# Altium PCB BSU.PcbDoc (part 2 of 3)
Units mm, origin at the board's own origin, x right, y up, seen from the top; angles counter-clockwise.
Board outline 255 x 100 mm, 4 copper layers (Top Cu, PWR, GND, Bottom Cu), stack 1.586 mm thick; 353 components, 279 nets, 1164 pads, 377 vias.
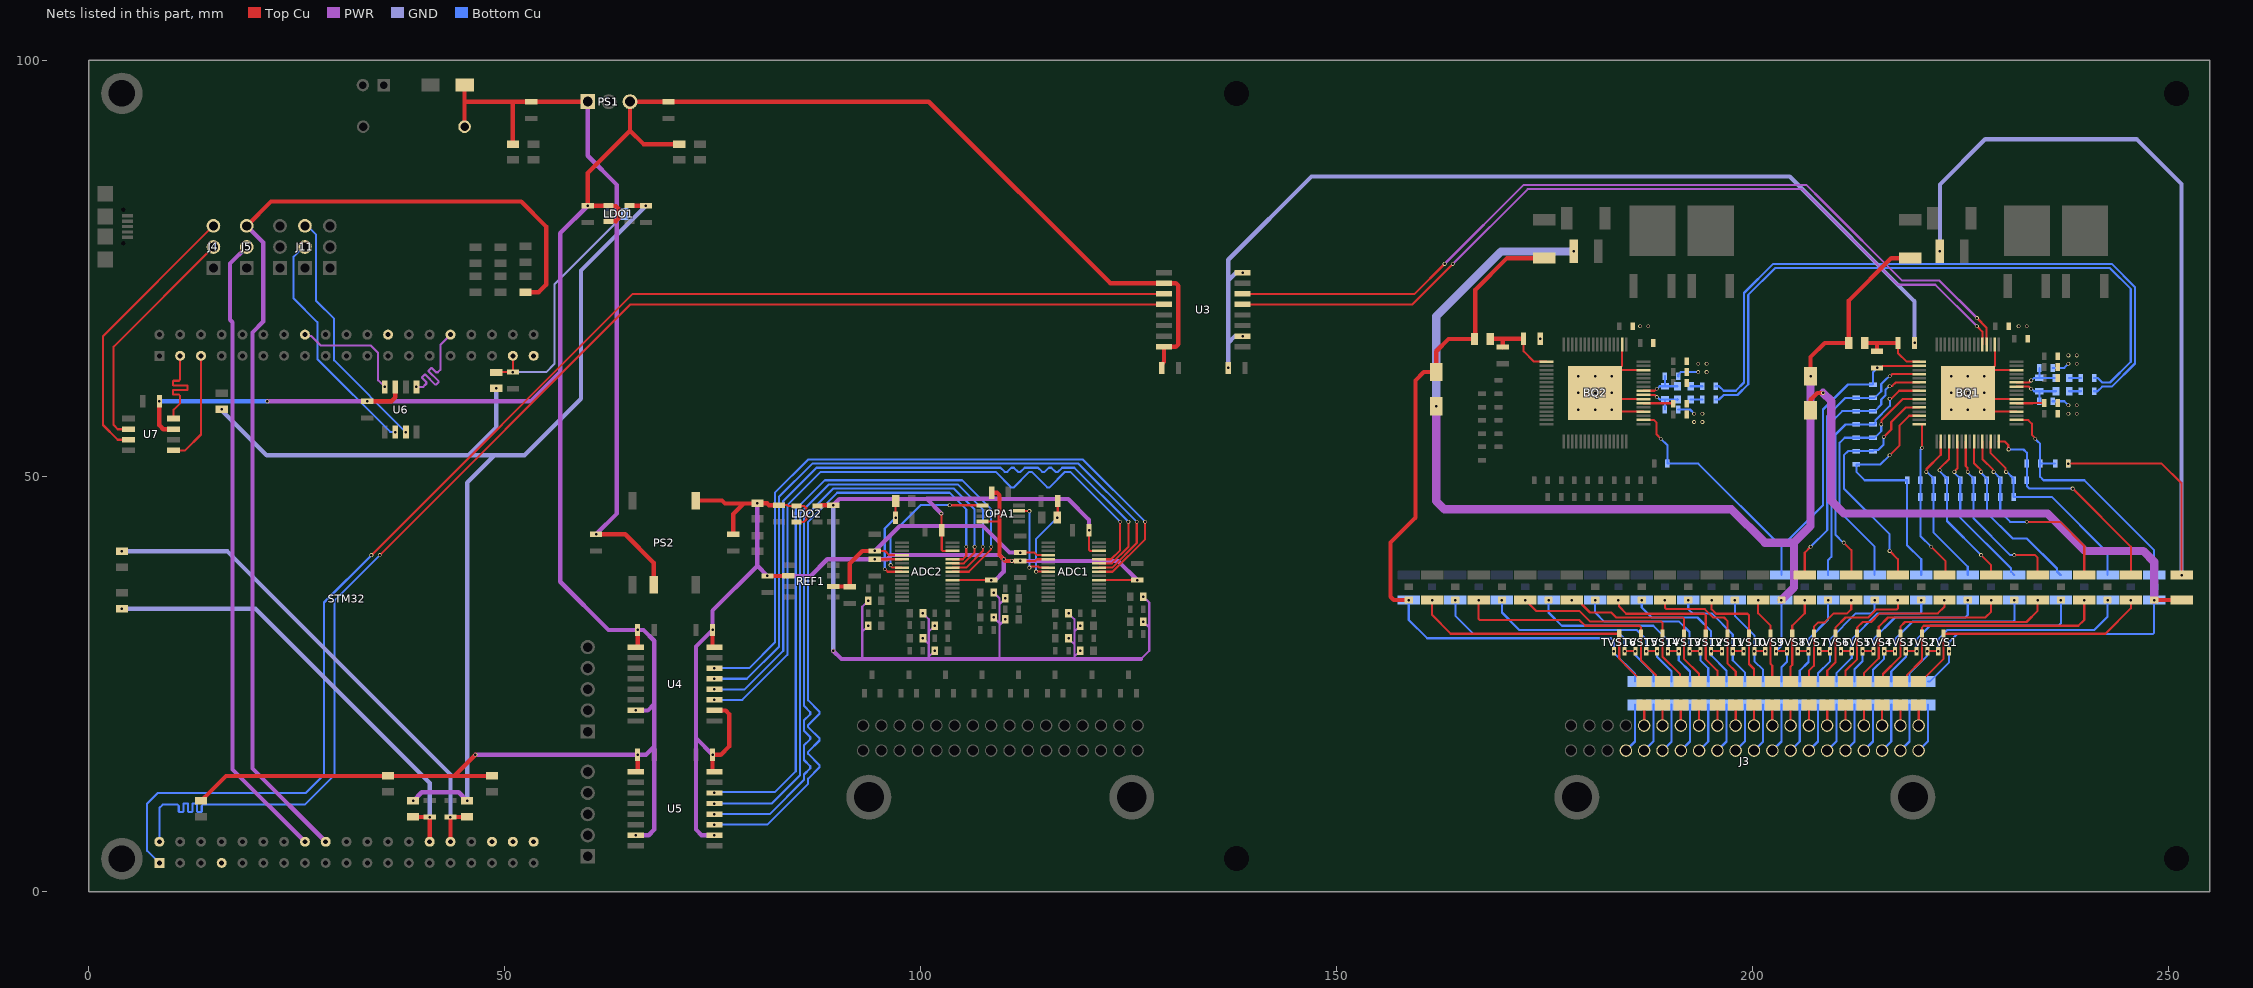
[diagram p4: the nets of this part, all layers, seen from the top]

## Part data
ADC1 ADC2: "Automotive 12 bit, 1 MSPS, 8 Channel, Single-Ended, SAR ADC", Manufacturer_Name="Texas Instruments", Mouser Part Number=595-ADS7951QDBTRQ1, Datasheet Link=http://www.ti.com/lit/gpn/ads7951-q1, Geometry.Height=1.2mm, Manufacturer_Part_Number=ADS7951QDBTRQ1, Mouser Price/Stock=https://www.mouser.co.uk/ProductDetail/Texas-Instruments/ADS7951QDBTRQ1?qs=gvhpkjpQEVRkli0uavTTsA%3D%3D
BQ1 BQ2: "Battery Management 16-S precision battery monitor, balancer and integrated protector with stacking interface", Manufacturer_Name="Texas Instruments", Mouser Part Number=595-BQ79616PAPR, Datasheet Link=https://www.ti.com/lit/ds/symlink/bq79616.pdf?ts=1694396292843&ref_url=https%253A%252F%252Fwww.ti.com%252Fproduct%252Fzh-tw%252FBQ79616, Geometry.Height=1.2mm, Manufacturer_Part_Number=BQ79616PAPR, Mouser Price/Stock=https://www.mouser.co.uk/ProductDetail/Texas-Instruments/BQ79616PAPR?qs=1Kr7Jg1SGW8FUVDCFv5r0A%3D%3D
C1 C2: library part 1210_SMD_Capacitor, "1210 SMD Capacitor", Voltage Rating=100VDC
C3 C4 C5 C6 C7 C8 C9 C10 C11 C12 C13 C14 C15 C16 C135 C136 C141 C142: library part 0603_SMD_Capacitor, "0603 SMD Capacitor", Voltage Rating=16VDC
C17 C18 C22 C23 C25 C26 C27 C28 C29 C30 C31 C32: library part 0805_SMD_Capacitor, "0805 SMD Capacitor", Voltage Rating=16VDC
C19 C21: library part 0805_SMD_Capacitor, "0805 SMD Capacitor", Voltage Rating=50VDC
C20 C24 C33 C34 C35 C36 C37 C38 C39 C40 C41 C42 C43 C44 C45: library part 0805_SMD_Capacitor, "0805 SMD Capacitor", Voltage Rating=10VDC
C46 C47 C48 C49 C50 C51 C52 C53 C54 C55 C56 C57 C58 C59 C60 C61: library part 0603_SMD_Capacitor, "0603 SMD Capacitor"
C62 C63 C64: library part 0805_SMD_Capacitor, "0805 SMD Capacitor"
C65 C66 C67 C68 C69 C70 C71 C72 C73 C74 C75 C76 C77 C78 C79 C80 C81 C82 C83 C84 C85 C86 C87 C88 C89 C90 C91 C92 C93 C94 C95 C96 C97 C98 C99 C100 C101 C102 C103 C104 C105 C106 C107 C108 C109 C110 C111 C112 C113 C114 C115 C116 C117 C118 C119 C120 C121 C122 C123 C124 C125 C126 C127 C128 C129 C130: library part 0603_SMD_Capacitor, "0603 SMD Capacitor", Voltage Rating=10VDC
C131 C132 C133 C134: library part 0805_SMD_Capacitor, "0805 SMD Capacitor", Voltage Rating=100VDC
C137 C138 C139 C140: library part 0603_SMD_Capacitor, "0603 SMD Capacitor", Voltage Rating=100VDC
D1: "TVS Diode (Uni-directional)", Manufacturer_Name="Wurth Elektronik", Mouser Part Number=710-824500241, Datasheet Link=https://componentsearchengine.com/Datasheets/2/824500241.pdf, Height=2.5mm, Manufacturer_Part_Number=824500241, Mouser Price/Stock=https://www.mouser.co.uk/ProductDetail/Wurth-Elektronik/824500241?qs=16w8nSHsg3swPBRQBjzwDQ%3D%3D
F1 F2 F3 F4 F5 F6 F7 F8 F9 F10 F11 F12 F13 F14 F15 F16 F17 F18 F19 F20 F21 F22 F23 F24 F25 F26 F27 F28 F29 F30 F31 F32 F33: library part "Bel Fuse 1206 1A", "T&R", Manufacturer_Name=Bel, Manufacturer_Part_Number="C1Q 1", Mouser Part Number=530-C1Q1, Datasheet Link=https://www.mouser.com/datasheet/2/643/ds-CP-c1q-series-1313102.pdf, Geometry.Height=0.78mm
J1: "Header, 2-Pin"
J2: library part "TE TH/.25 32P TH", "TE CONNECTIVITY - 1318745-2 - Automotive Connector, TH 025 Series, Right Angle Plug, 32 Contacts, Crimp Pin", Manufacturer_Name="TE Connectivity", Mouser Part Number=571-1318745-2, Datasheet Link=https://www.te.com/commerce/DocumentDelivery/DDEController?Action=showdoc&DocId=Customer+Drawing%7F1318745%7FB6%7Fpdf%7FJapanese%7FJPN_CD_1318745_B6.pdf%7F1318745-2, Geometry.Height=15.5mm, Manufacturer_Part_Number=1318745-2, Mouser Price/Stock=https://www.mouser.co.uk/ProductDetail/TE-Connectivity-AMP/1318745-2?qs=ajJfoEgdyuQ%2FBs4LKkUxbA%3D%3D
J3: library part "TE TH/.25 40P TH", "TE Connectivity TH 025 Series, 2 Row 40 Way Through Hole Socket Automotive Header Connector, Automotive wiring", Manufacturer_Name="TE Connectivity", Mouser Part Number=571-1318384-2, Datasheet Link=https://datasheet.datasheetarchive.com/originals/distributors/Datasheets_SAMA/2d817f87a4b79b3277c4981d7cac1338.pdf, Geometry.Height=15.5mm, Manufacturer_Part_Number=1318384-2, Mouser Price/Stock=https://www.mouser.co.uk/ProductDetail/TE-Connectivity/1318384-2?qs=ajJfoEgdyuQdiyFC%2FqjiIw%3D%3D
J4 J5 J10 J11 J12: "Pin Header 2.54mm Pitch STR DIP, 1x3Pin, G/F, LCP, 8.08mm*2.54mm*3.18mm, Color-Black, Bag", Manufacturer_Name="Amphenol Communications Solutions", Manufacturer_Part_Number=G800LR305018EU, Mouser Part Number=523-G800LR305018EU, Datasheet Link=https://cdn.amphenol-cs.com/media/wysiwyg/files/drawing/g800lrxxxxxxeu_1.pdf, Geometry.Height=10.82mm, Mouser Price/Stock=https://www.mouser.co.uk/ProductDetail/Amphenol-Commercial-Products/G800LR305018EU?qs=PzGy0jfpSMsZaVkTJmYyRA%3D%3D
J14 J15: Manufacturer_Name="TE Connectivity", Manufacturer_Part_Number=87224-5, Datasheet Link=https://www.arrow.com/en/products/87224-5/te-connectivity, Geometry.Height=10.745mm
LDO1 LDO2: library part "3V 500mA LDO", "LDO Voltage Regulators 500-mA, Low IQ, Small Size, Low Dropout Regulator 5-SOT-23 -40 to 125", Manufacturer_Name="Texas Instruments", Mouser Part Number=595-TLV75533PDBVR, Datasheet Link=http://www.ti.com/lit/gpn/tlv755p, Geometry.Height=1.45mm, Manufacturer_Part_Number=TLV75533PDBVR, Mouser Price/Stock=https://www.mouser.co.uk/ProductDetail/Texas-Instruments/TLV75533PDBVR?qs=55YtniHzbhAKEwqeO2xJXQ%3D%3D
LED1 LED2 LED3 LED4 LED5 LED6: library part "0805 LED Generic", "SMD LED"
NTC1 NTC2 NTC3: library part 0805_SMD_NTC_Thermistor_100k, "NTC Thermistors 100Kohms 5% SMD", Manufacturer_Name=Vishay, Mouser Part Number=594-NTCS0805E3104JXT, Datasheet Link=http://www.vishay.com/docs/29044/ntcs0805e3t.pdf, Geometry.Height=0.95mm, Manufacturer_Part_Number=NTCS0805E3104JXT, Mouser Price/Stock=https://www.mouser.co.uk/ProductDetail/Vishay-BC-Components/NTCS0805E3104JXT?qs=Y0gyZw6qHXedwsSst0X8tA%3D%3D
OPA1: "36-V, Precision, RRIO, Low Offset Voltage, Low Input Bias Current Op Amp With e-trim", Manufacturer_Name="Texas Instruments", Mouser Part Number=595-OPA2192IDGKT, Datasheet Link=http://www.ti.com/lit/gpn/opa2192, Geometry.Height=1.1mm, Manufacturer_Part_Number=OPA2192IDGKT, Mouser Price/Stock=https://www.mouser.co.uk/ProductDetail/Texas-Instruments/OPA2192IDGKT?qs=UPLqB4C8V4F3vjA9o1ZbXA%3D%3D
PS1: library part "24-5 Power Converter", "CUI Inc.,1 A Output Current, 6~36 Vdc Input, 3 Pin SIP, Non-Isolated, Dc-Dc Converter", Package=SIP-3, Supplier Part Number 1=490-VXO7805-1000, Availability=Unavailable, MF="CUI Inc.", MP=VXO7805-1000, Price=None, SnapEDA_Link=https://www.snapeda.com/parts/VXO7805-1000/CUI/view-part/2679745/?ref=snap, Supplier 1=Mouser, Supplier 2=Digi-Key, Supplier Part Number 2=102-4258-ND
PS2: library part "24-5 Isolated Power Converter", "CUI Inc., DC-DC ISOLATED, 5VDC input, 1 W, 4.5-5.5 VDC", Package=None, Supplier Part Number 1=490-PDSE1-S24-S5-M, Availability=Unavailable, MF="{'manufacturer': u'CUI'}", MP=PDSE1-S24-S5-M, Price=None, Supplier 1=Mouser, Supplier 2=Digi-Key, Supplier Part Number 2=102-PDSE1-S24-S5-M-ND
Q1 Q2 Q3 Q4: "Transistor", Manufacturer_Name="Diodes Incorporated", Mouser Part Number=621-ZXTN4004KTC, Arrow Part Number=ZXTN4004KTC, Arrow Price/Stock=https://www.arrow.com/en/products/zxtn4004ktc/diodes-incorporated?region=asia, Datasheet Link=https://datasheet.datasheetarchive.com/originals/distributors/Datasheets-DGA18/1088694.pdf, Height=2.39mm, Manufacturer_Part_Number=ZXTN4004KTC, Mouser Price/Stock=https://www.mouser.co.uk/ProductDetail/Diodes-Incorporated/ZXTN4004KTC?qs=aXnpsjvrXd1NjskJTVsVYA%3D%3D
R1 R2 R3 R4: library part 2010_SMD_Resistor, "2010 SMD Resistor"
R5 R6 R7 R8 R9 R10 R11 R12 R29 R30 R31 R99 R100 SB1 SB2 SB3 SB4: library part 0805_SMD_Resistor, "0805 SMD Resistor"
R13 R14 R15 R16 R17 R18 R19 R20 R21 R22 R23 R24 R25 R26 R27 R28 R32 R33 R34 R35 R36 R37 R38 R39 R40 R41 R42 R43 R44 R45 R46 R47 R49 R50 R51 R52 R53 R54 R55 R56 R57 R58 R59 R60 R61 R62 R63 R64 R65 R101 R102 R103 R104 R105 R106: library part 0603_SMD_Resistor, "0603 SMD Resistor"
R48 R66 R67 R68 R69 R70 R71 R72 R73 R74 R75 R76 R77 R78 R79 R80 R81 R82 R83 R84 R85 R86 R87 R88 R89 R90 R91 R92 R93 R94 R95 R96 R97 R98: library part 1210_SMD_Resistor, "1210 SMD Resistor"
REF1: "3 Vpp/V Noise, 3 ppm/C Drift Precision Series Voltage Reference", Manufacturer_Name="Texas Instruments", Mouser Part Number=595-REF5025AIDR, Datasheet Link=http://www.ti.com/lit/gpn/ref5025, Geometry.Height=1.75mm, Manufacturer_Part_Number=REF5025AIDR, Mouser Price/Stock=https://www.mouser.co.uk/ProductDetail/Texas-Instruments/REF5025AIDR?qs=xL7PkI2RoJ70M4JvRcjI4A%3D%3D
TVS1 TVS2 TVS3 TVS4 TVS5 TVS6 TVS7 TVS8 TVS9 TVS10 TVS11 TVS12 TVS13 TVS14 TVS15 TVS16: "Automotive dual lines 4 V TVS for BMS in SOT323", Manufacturer_Name=STMicroelectronics, Mouser Part Number=511-ESDA041-2W3Y, Datasheet Link=https://www.st.com/resource/en/datasheet/esda041-1jy.pdf, Geometry.Height=1.1mm, Manufacturer_Part_Number=ESDA041-2W3Y, Mouser Price/Stock=https://www.mouser.co.uk/ProductDetail/STMicroelectronics/ESDA041-2W3Y?qs=%252B6g0mu59x7IEynpxej3Q0w%3D%3D
TVS17 TVS18: "LITTELFUSE - SMAJ75A - TVS Diode, SMAJ Series, Unidirectional, 75 V, 121 V, DO-214AC (SMA), 2 Pins", Manufacturer_Name=LITTELFUSE, Mouser Part Number=576-SMAJ75A, Datasheet Link=https://altium.componentsearchengine.com/Datasheets/2/SMAJ75A.pdf, Geometry.Height=2.29mm, Manufacturer_Part_Number=SMAJ75A, Mouser Price/Stock=https://www.mouser.co.uk/ProductDetail/Littelfuse/SMAJ75A?qs=HR2RnyOI4E7Kp9oudr4VYA%3D%3D
TVS19 TVS20 TVS21 TVS22 TVS23 TVS24 TVS25 TVS26: "PESD5V0U2BT - Ultra low capacitance bidirectional double ESD protection diode", Manufacturer_Name=Nexperia, Manufacturer_Part_Number=PESD5V0U2BT,215, Mouser Part Number=771-PESD5V0U2BTT/R, Datasheet Link=https://assets.nexperia.com/documents/data-sheet/PESD5V0U2BT.pdf, Geometry.Height=1.1mm, Mouser Price/Stock=https://www.mouser.co.uk/ProductDetail/Nexperia/PESD5V0U2BT215?qs=LOCUfHb8d9uKnndgcTorSw%3D%3D
U3 U4 U5: "Digital Isolators Robust EMC, quad-channel, 3/1, reinforced digital isolator 16-SOIC -55 to 125", Manufacturer_Name="Texas Instruments", Mouser Part Number=595-ISO7741FBDW, Datasheet Link=https://www.ti.com/lit/gpn/iso7741, Geometry.Height=2.65mm, Manufacturer_Part_Number=ISO7741FBDW, Mouser Price/Stock=https://www.mouser.co.uk/ProductDetail/Texas-Instruments/ISO7741FBDW?qs=MLItCLRbWsxUdn9iEHVJVg%3D%3D
U6 U7: library part TJA1050T, "NXP - TJA1050T/CM,118 - CAN TRANSCEIVER, 1TX/RX, SOIC-8", Manufacturer_Name=NXP, Manufacturer_Part_Number=TJA1050T/CM,118, Mouser Part Number=771-TJA1050T/CM118, Datasheet Link=http://www.nxp.com/docs/en/data-sheet/TJA1050.pdf, Geometry.Height=1.75mm, Mouser Price/Stock=https://www.mouser.co.uk/ProductDetail/NXP-Semiconductors/TJA1050T-CM118?qs=5XOdhvmYM0NFFspw0VP5sA%3D%3D
USB1: library part "USB_B 5P", "USB Connectors USB jack, 2.0, micro B type, 5 pin, horizontal, gold flash, SMT, TR", Manufacturer_Name="CUI Devices", Mouser Part Number=490-UJ2-MIBH-G-SMTTR, Datasheet Link=cuidevices.com/product/resource/uj2-mibh-g-smt-tr.pdf, Geometry.Height=3.15mm, Manufacturer_Part_Number=UJ2-MIBH-G-SMT-TR, Mouser Price/Stock=https://www.mouser.co.uk/ProductDetail/CUI-Devices/UJ2-MIBH-G-SMT-TR?qs=IS%252B4QmGtzzpvS1XQusp0iA%3D%3D
X1: library part "LV Fuse 500mA", "Littelfuse 251 series 125VAC/125VDC 500mA"

## Free pads (board coordinates)
  round 5 / inner round 0 / far side round 5 hole 3.2: 6(4,4) 6(4,96)
  round 0 hole 3 unplated: 6(138,4) 6(138,96) 6(251,4) 6(251,96)

## Via types
v1: diameter 0.45, hole 0.3, Top Cu to Bottom Cu, tented both sides, 364 vias
v2: diameter 0.45, hole 0.3, Top Cu to Bottom Cu, 13 vias

## Nets (pads, with @x,y where several pads share a name; then routed paths per layer and width w, separated by ;. In a path a pad name is that pad's centre, name@x,y a point inside that pad or via, vN(x,y) a via of type N, cw(c..) or ccw(c..) an arc to the next point about the centre after c; other vN are vias at no path point)
3V3_ADC: ADC1.28 ADC2.28 C24.2 C33.1 C34.1 LDO2.5 R13.2 R14.2 R15.2 R16.2 R17.2 R18.2 R19.2 R20.2 R21.2 R22.2 R23.2 R24.2 R25.2 R26.2 R27.2 R28.2 | length 148.2
  Top Cu w0.254: v1(102.5,45.5) 102.531,45.469 102.531,43.531 C34.1@102.562,43.5 102.562,41.149 102.711,41 ADC2.28@103.838,41 ; v1(120.262,43.5) 120.262,41.149 120.411,41 ADC1.28@121.438,41
  Top Cu w0.512: LDO2.5@87.6,46.4 87.9,46.4 88,46.5 v1(89.5,46.5)
  PWR w0.254: 93,28 93,31.3 ; v1(93.7,32) 93,31.3 ; v1(93.7,35) 93,34.3 93,31.3 ; v1(100.3,30.5) 101,29.8 ; v1(100.3,33.5) 101,32.8 101,31.3 ; 101,28 101,28.3 ; v1(101.7,29) 101,28.3 ; v1(101.7,32) 101,31.3 ; v1(108.8,33) 109.5,32.3 ; v1(108.8,36) 109.5,35.3 109.5,34.6 ; 109.5,28 109.5,32.1 ; v1(110.2,32.8) 109.5,32.1 ; v1(110.2,35.3) 109.5,34.6 ; v1(117.8,30.5) 118.5,29.8 ; v1(117.8,33.5) 118.5,32.8 118.5,31.3 ; 118.5,28 118.5,28.3 ; v1(119.2,29) 118.5,28.3 ; v1(119.2,32) 118.5,31.3 ; 126.5,28 127.5,29 127.5,31.8 ; v1(126.8,32.5) 127.5,31.8 ; v1(126.8,35.5) 127.5,34.8 127.5,31.8 ; 101,28.3 101,29.8 ; 101,29.8 101,31.3 ; 109.5,32.1 109.5,32.3 ; 109.5,32.3 109.5,34.6 ; 118.5,28.3 118.5,29.8 ; 118.5,29.8 118.5,31.3
  PWR w0.512: v1(89.5,29) 90.5,28 93,28 101,28 109.5,28 118.5,28 126.5,28 ; v1(89.5,46.5) 90.235,47.235 100.765,47.235 ; v1(102.5,45.5) 100.765,47.235 ; v1(120.262,43.5) 120.262,44.738 117.765,47.235 109.29,47.235 109.265,47.26 100.79,47.26 100.765,47.235
  GND w0.512: v1(89.5,29) v1(89.5,46.5)
3V3_LDO: C20.2 LDO1.5 R29.2 R30.2 R31.2 SB4.2 | length 136.6
  Top Cu w0.512: LDO1.5@65,82.5 v1(67,82.5)
  PWR w0.512: v1(39,10.95) 40.05,12 44.5,12 45.5,11 v1(45.5,10.95)
  GND w0.512: v1(16,58.05) 16,57.9 21.4,52.5 45.7,52.5 ; v1(45.5,10.95) 45.5,49.2 48.8,52.5 ; v1(49,60.55) 49,55.8 45.7,52.5 ; v1(67,82.5) 59.2,74.7 59.2,59.3 52.4,52.5 48.8,52.5 ; 45.7,52.5 47.4,52.5 48.8,52.5
3V3_STM: J5.2 STM32.27 | length 76.1
  PWR w0.512: J5.2@19,77.54 17,75.54 17,68.8 17.3,68.5 17.3,14.74 STM32.27@26,6.04
24V: C19.2 C21.2 D1.1 PS1.1 PS2.2 R5.2 X1.2 | length 90.4
  Top Cu w0.512: X1.2@45.192,92 45.192,96.992 D1.1@45.2,97 ; 45.2,95 51,95 ; R5.2@51,89.9 51,95 ; PS1.1@60,95 C19.2@53.2,95 51,95 ; v1(61,43) 64.5,43 67.92,39.58 PS2.2@67.92,36.95
  PWR w0.512: PS1.1@60,95 60,88.5 63.5,85 63.5,45.5 v1(61,43)
+5V: C17.2 C18.2 C25.2 C27.2 C29.2 C30.2 C32.2 LDO1.1 LDO1.3 PS1.3 R6.2 SB1.2 SB2.1 SB3.1 U3.10 U3.16 U4.1 U4.7 U5.1 U5.7 U6.3 U7.3 | length 328.5
  Top Cu w0.512: v1(8.5,59) 8.5,56.1 8.965,55.635 U7.3@10.225,55.635 ; SB3.1@13.5,10.95 13.775,10.95 13.969,11.144 13.969,11.419 16.5,13.95 SB2.1@36,13.95 43.95,13.95 ; v1(33.5,59) 36.4,59 36.865,59.465 U6.3@36.865,60.725 ; v1(46.5,16.5) 43.95,13.95 ; SB1.2@48.5,13.95 43.95,13.95 ; LDO1.3@62.5,80.6 62.544,80.644 63.4,80.644 63.7,80.944 63.7,82.156 63.4,82.456 62.544,82.456 LDO1.1@62.5,82.5 v1(60,82.5) 60,86.44 65.08,91.52 ; U5.1@65.775,14.445 65.931,14.445 66,14.514 v1(66,16.5) ; U4.1@65.775,29.445 65.931,29.445 66,29.514 v1(66,31.5) ; R6.2@71,89.9 66.7,89.9 65.08,91.52 ; C25.2@129,63 129,63.425 129.275,63.7 U3.16@129.275,65.555 130.7,65.555 131,65.855 131,72.875 130.7,73.175 U3.10@129.275,73.175 122.825,73.175 101,95 C17.2@69.7,95 PS1.3@65.08,95 65.08,91.52
  PWR w0.512: v1(21.5,59) 53.2,59 56.7,62.5 ; v1(46.5,16.5) v1(66,16.5) 67,16.5 68,17.5 ; v1(60,82.5) 56.7,79.2 56.7,62.5 ; v1(65.775,6.825) 67.325,6.825 68,7.5 68,17.5 ; v1(65.775,21.825) 67.225,21.825 68,22.6 ; 56.7,62.5 56.7,37.3 62.5,31.5 v1(66,31.5) 66.7,31.5 68,30.2 68,22.6 ; 68,17.5 68,22.6
  Bottom Cu w0.512: v1(8.5,59) v1(21.5,59)
+5V_ADC: ADC1.5 ADC1.21 ADC2.5 ADC2.21 C22.2 C23.2 C28.2 C31.2 C35.1 C36.1 C37.2 C38.2 C39.1 C43.2 LDO2.1 LDO2.3 OPA1.8 PS2.5 R7.2 REF1.2 U4.10 U4.16 U5.10 U5.16 | length 164.3
  Top Cu w0.254: C23.2@83,46.5 84,46.5 84.1,46.4 LDO2.1@85.1,46.4 86,46.4 86.3,46.1 86.3,44.8 86,44.5 LDO2.3@85.1,44.5 ; v1(94.5,40) ADC2.5@97.762,40 ; ADC2.21@103.838,37.5 v1(108.5,37.5) ; OPA1.8@107.462,44.525 109.475,44.525 ; v1(112,39.8) 113.8,39.8 114,40 ADC1.5@115.362,40 ; ADC1.21@121.438,37.5 v1(126.062,37.5)
  Top Cu w0.512: PS2.5@73,47.05 76.15,47.05 76.5,46.7 78.75,46.7 ; v1(75,31.5) 75,29.514 75.069,29.445 U4.16@75.225,29.445 ; U5.16@75.225,14.445 75.069,14.445 75,14.514 v1(75,16.5) 76,16.5 77,17.5 77,21.4 76.581,21.819 75.231,21.819 U4.10@75.225,21.825 ; C22.2@77.5,43 77.5,45.45 78.75,46.7 ; v1(81.6,38) REF1.2@84.1,38 ; C23.2@83,46.5 81.8,46.5 81.583,46.717 80.423,46.717 v1(80.39,46.75) 80.34,46.7 78.75,46.7 ; C43.2@108.558,48.006 109.194,48.006 109.5,47.7 109.5,44.5 ; 109.475,44.525 109.5,44.5 ; v1(112,39.8) 110.2,39.8 v1(110,40) 109.5,40.5 109.5,44.5
  PWR w0.512: v1(75,16.5) 73,18.5 ; v1(75.225,6.825) 73.675,6.825 73,7.5 73,18.5 ; v1(80.39,46.75) 80.39,39.21 ; v1(108.5,37.5) 109,37.5 110,38.5 v1@110,39.8 ; v1(126.062,37.5) 123.762,39.8 v1(112,39.8) v1@110,39.8 ; 73,18.5 73,29.5 v1(75,31.5) 75,33.82 80.39,39.21 ; 80.39,39.21 v1(81.6,38) 86.8,38 88.8,40 v1(94.5,40) 96,40 96.5,40.5 109.5,40.5 v1(110,40) v1@110,39.8
  other v1: 111,39.8
+5V_STM: J5.1 R10.2 STM32.28 | length 127.4
  Top Cu w0.512: J5.1@19,80.08 21.92,83 52,83 55,80 55,73 54.1,72.1 R10.2@52.5,72.1
  PWR w0.512: J5.1@19,80.08 21,78.08 21,68.57 19.7,67.27 19.7,14.84 STM32.28@28.5,6.04
ADC1_BUF_IN: ADC1.7 OPA1.3 | length 10.4
  Top Cu w0.254: OPA1.3@111.862,45.825 111.875,45.812 113.088,45.812 v1(113.1,45.8) ; v1(113.1,39) 113.153,39 113.283,39.13 114.151,39.13 114.258,39.023 115.339,39.023 ADC1.7@115.362,39
  Bottom Cu w0.254: v1(113.1,39) v1(113.1,45.8)
ADC1_BUF_OUT: ADC1.8 C44.2 R11.2 | length 11
  Top Cu w0.254: v1(113.9,38.524) 113.912,38.512 115.35,38.512 ADC1.8@115.362,38.5 ; v1(116.45,45) 116.5,45.05 C44.2@116.5,47
  Bottom Cu w0.254: v1(113.9,38.524) 113.906,38.53 113.906,42.456 v1(116.45,45)
ADC1_CS: ADC1.23 U4.14 | length 85.1
  Top Cu w0.254: ADC1.23@121.438,38.5 123.078,38.5 127,42.422 v1(127,44.5)
  Bottom Cu w0.254: v1(75.225,26.905) 79.405,26.905 82.5,30 82.5,48 86.5,52 119.5,52 v1(127,44.5)
ADC1_MISO: ADC1.26 U4.11 | length 82.7
  Top Cu w0.254: ADC1.26@121.438,40 122.9,40 124,41.1 v1(124,44.5)
  Bottom Cu w0.254: v1(75.225,23.095) 78.595,23.095 84,28.5 84,46.5 88,50.5 108.9,50.5 109.027,50.5 110.896,48.631 111.196,48.631 113.064,50.5 113.364,50.5 115.219,48.646 115.519,48.646 117.373,50.5 117.5,50.5 118,50.5 v1(124,44.5)
ADC1_MOSI: ADC1.25 U4.12 | length 83.1
  Top Cu w0.254: ADC1.25@121.438,39.5 123,39.5 125,41.5 v1(125,44.5)
  Bottom Cu w0.254: v1(75.225,24.365) 78.865,24.365 83.5,29 83.5,47 87.5,51 109.5,51 109.627,51 110.127,50.5 110.427,50.5 110.927,51 111.227,51 111.727,50.5 112.027,50.5 112.527,51 113,51 114,51 114.127,51 114.627,50.5 114.927,50.5 115.427,51 115.727,51 116.227,50.5 116.527,50.5 117.027,51 117.5,51 118.5,51 v1(125,44.5)
ADC1_SCK: ADC1.24 U4.13 | length 83.3
  Top Cu w0.254: ADC1.24@121.438,39 123.039,39 126,41.961 v1(126,44.5)
  Bottom Cu w0.254: v1(75.225,25.635) 79.135,25.635 83,29.5 83,47.5 87,51.5 119,51.5 v1(126,44.5)
ADC2_BUF_IN: ADC2.7 OPA1.5 | length 17.7
  Top Cu w0.254: v1(96.4,39.3) 96.4,39.2 96.6,39 ADC2.7@97.762,39 ; v1(103.5,46.5) 103.513,46.487 107.449,46.487 OPA1.5@107.462,46.475
  Bottom Cu w0.254: v1(96.4,39.3) 96.4,42.9 100,46.5 v1(103.5,46.5)
ADC2_BUF_OUT: ADC2.8 C45.2 R12.2 | length 10.9
  Top Cu w0.254: v1(95.7,38.8) 95.767,38.8 96.067,38.5 ADC2.8@97.762,38.5 ; v1(97,45) 97,46.95 R12.2@97.05,47
  Bottom Cu w0.254: v1(95.7,38.8) 95.7,43.7 v1(97,45)
ADC2_CS: ADC2.23 U5.14 | length 79.3
  Top Cu w0.254: ADC2.23@103.838,38.5 105.8,38.5 108.5,41.2 v1(108.5,41.5)
  Bottom Cu w0.254: v1(75.225,11.905) 75.263,11.943 75.401,11.943 75.459,12 82.5,12 85,14.5 85,46 88.5,49.5 105,49.5 108.5,46 v1(108.5,41.5)
ADC2_MISO: ADC2.26 U5.11 | length 76.9
  Top Cu w0.254: ADC2.26@103.838,40 105.1,40 105.5,40.4 v1(105.5,41.5)
  Bottom Cu w0.254: v1(75.225,8.095) 81.595,8.095 86.5,13 86.5,13.5 86.5,13.627 87.858,14.985 87.858,15.239 86.5,16.598 86.5,16.852 87.858,18.21 87.858,18.464 86.5,19.822 86.5,20.076 87.858,21.435 87.858,21.689 86.5,23.047 86.5,23.5 86.5,44.5 90,48 103.5,48 105.5,46 v1(105.5,41.5)
ADC2_MOSI: ADC2.25 U5.12 | length 77.2
  Top Cu w0.254: ADC2.25@103.838,39.5 105.2,39.5 106.5,40.8 v1(106.5,41.5)
  Bottom Cu w0.254: v1(75.225,9.365) 81.865,9.365 86,13.5 86,14 86,14.127 86.746,14.873 86.746,15.127 86,15.873 86,16 86,17.5 86,17.627 86.746,18.373 86.746,18.627 86,19.373 86,19.5 86,20.5 86,20.627 86.746,21.373 86.746,21.627 86,22.373 86,22.5 86,45 89.5,48.5 104,48.5 106.5,46 v1(106.5,41.5)
ADC2_SCK: ADC2.24 U5.13 | length 77.4
  Top Cu w0.254: ADC2.24@103.838,39 105.5,39 107.5,41 v1(107.5,41.5)
  Bottom Cu w0.254: v1(75.225,10.635) 82.135,10.635 85.5,14 85.5,45.5 89,49 104.5,49 107.5,46 v1(107.5,41.5)